# Altium PCB PCB.PcbDoc
Units mm, origin at the board's own origin, x right, y up, seen from the top; angles counter-clockwise.
Board outline 100.01 x 100.01 mm, 2 copper layers (Top Layer, Bottom Layer); 78 components, 66 nets, 326 pads, 102 vias.
Unrouted connection lines stored in the file: 57.
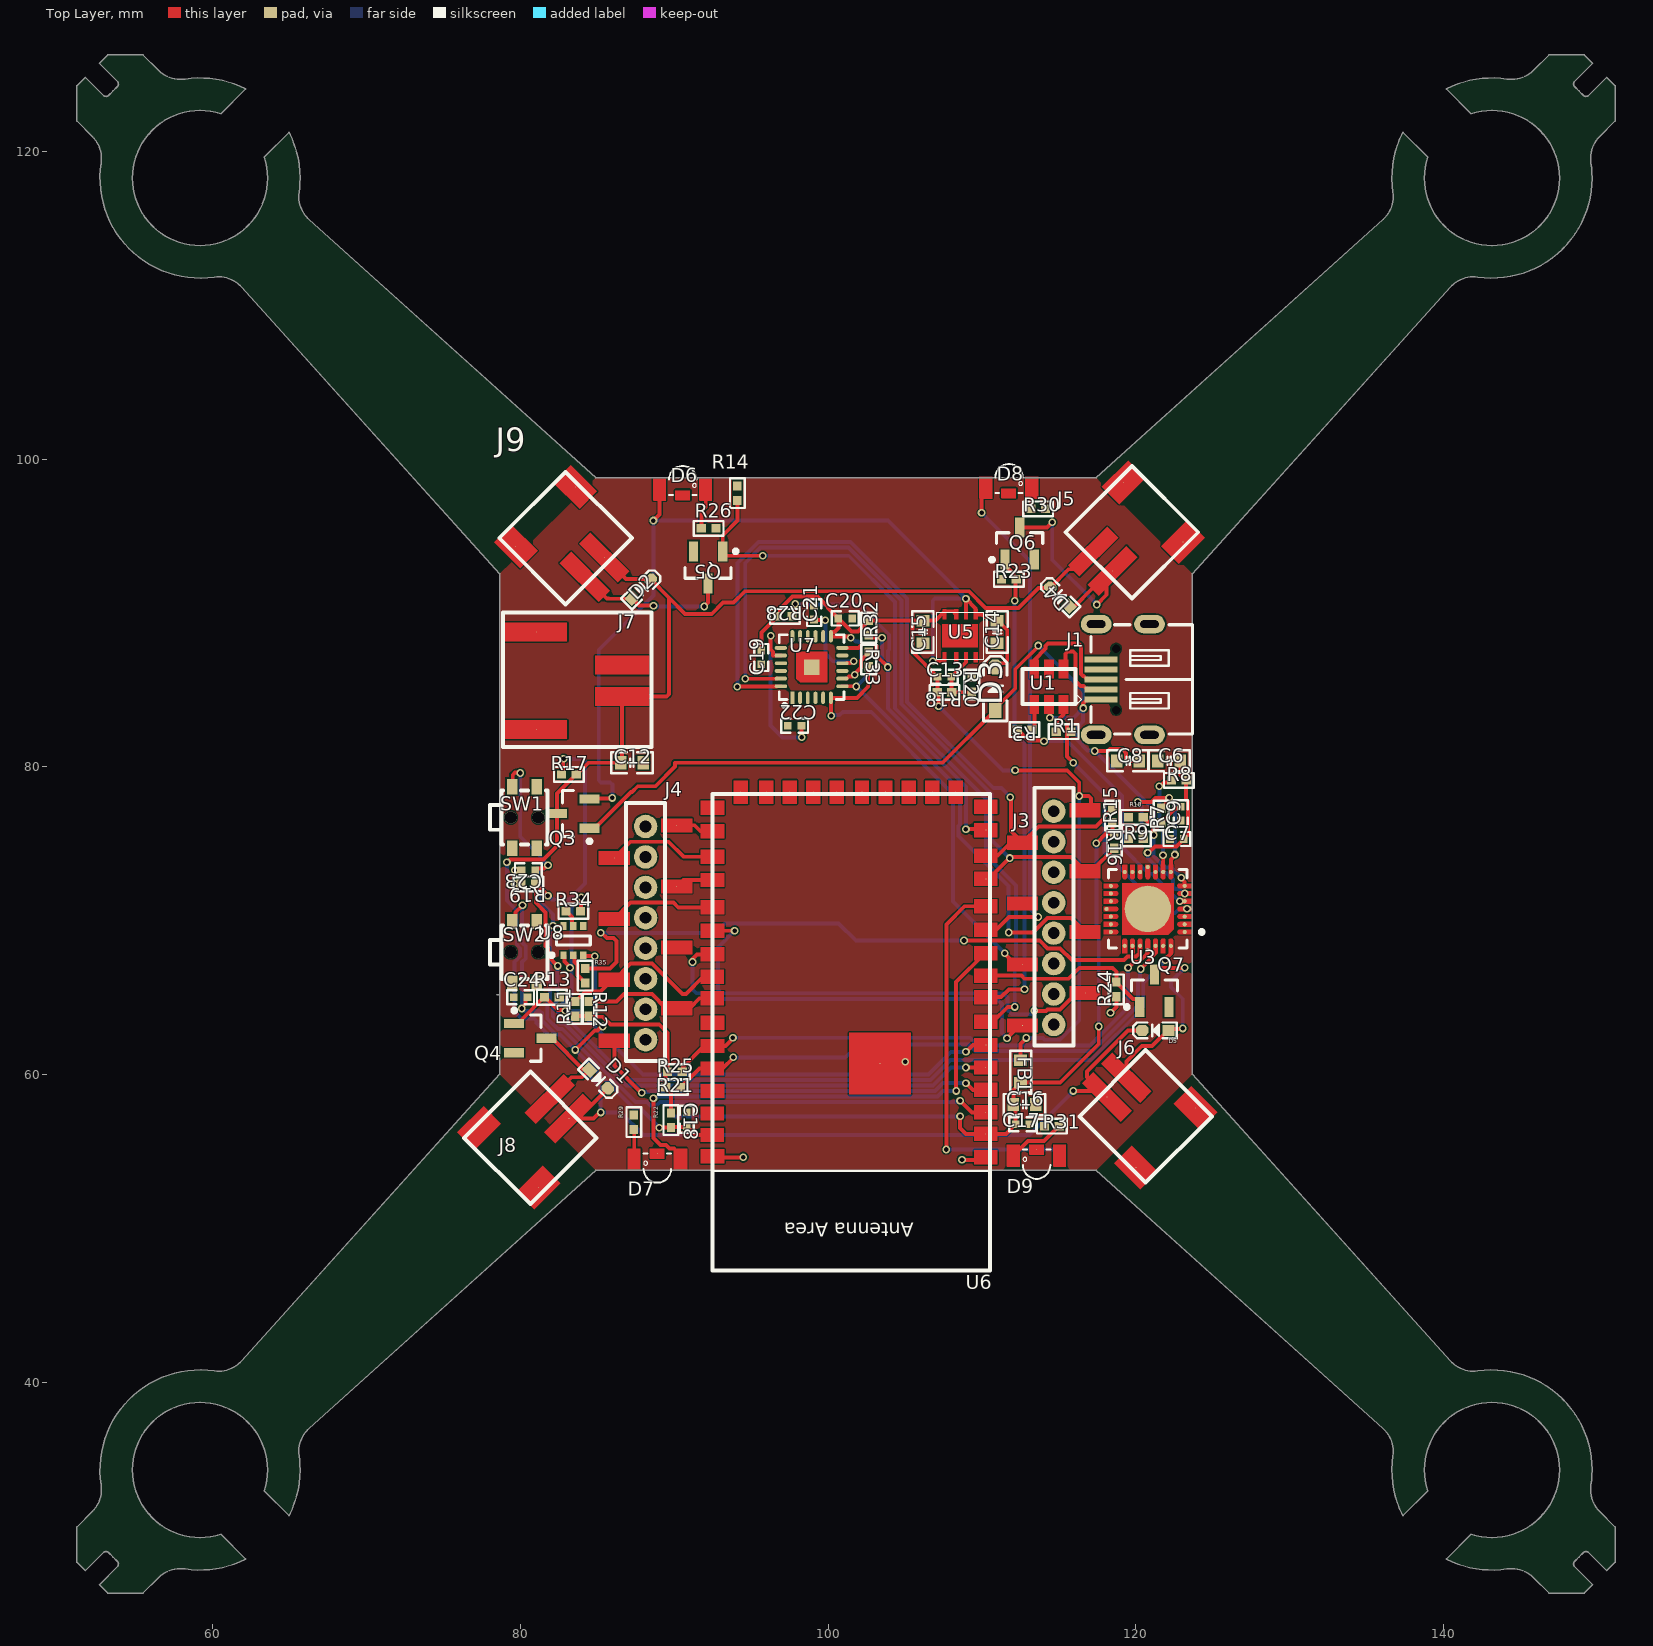
[diagram p0: Top Layer view]
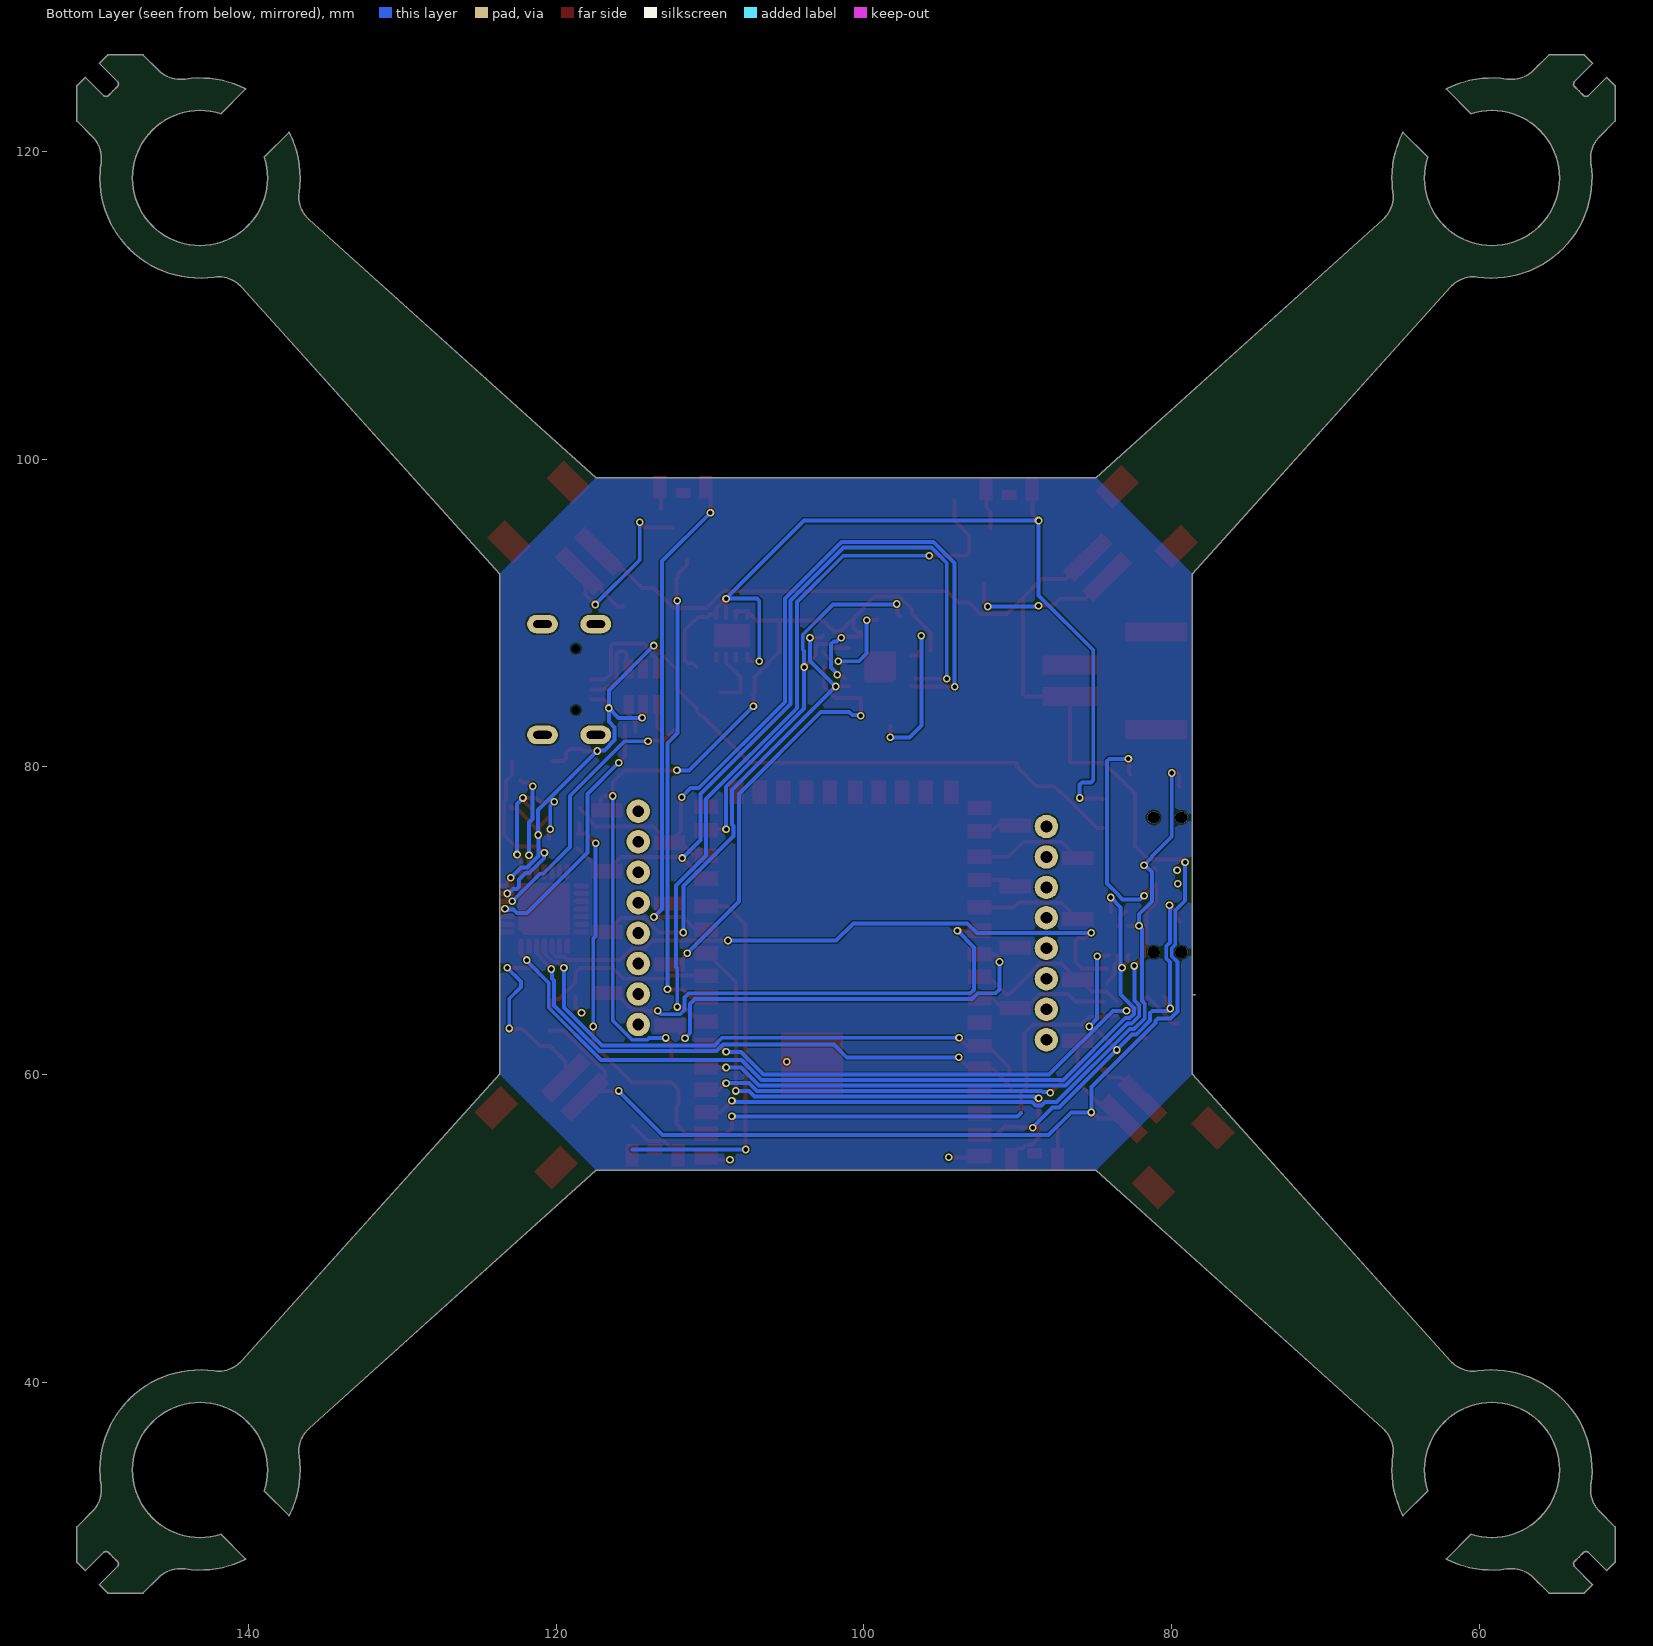
[diagram p1: Bottom Layer view, seen from below]

## Layer stack, top to bottom
Top Solder: solder mask 0.0102, Solder Resist, Dk 3.5
Top Layer: signal copper 0.0356
Dielectric 1: dielectric 0.32, FR-4, Dk 4.8
Bottom Layer: signal copper 0.0356
Bottom Solder: solder mask 0.0102, Solder Resist, Dk 3.5

## Board outline
52.623,26.82 53.163,26.279 53.168,26.277 55.463,26.277 55.467,26.279 56.479,27.29 cw(c57.888,25.882) 58.188,27.851 ccw(c59.168,34.285) 62.13,28.49 62.132,28.501 60.53,30.103 60.523,30.105 cw(c59.168,34.283) 55.422,31.99 cw(c59.168,34.284) 56.062,37.39 cw(c59.168,34.283) 61.462,38.03 cw(c59.168,34.284) 63.561,34.284 cw(c59.168,34.284) 63.347,32.929 63.349,32.922 64.951,31.32 64.962,31.322 ccw(c59.167,34.284) 65.675,34.284 ccw(c59.168,34.284) 65.609,35.209 cw(c67.582,35.492) 66.248,36.973 66.248,36.974 84.91,53.777 117.426,53.777 136.088,36.974 cw(c134.754,35.492) 136.747,35.492 cw(c134.754,35.492) 136.727,35.209 ccw(c143.167,34.284) 137.374,31.322 137.385,31.32 138.987,32.922 138.988,32.929 cw(c143.167,34.284) 140.873,38.03 cw(c143.167,34.283) 146.274,37.39 cw(c143.167,34.284) 147.561,34.284 cw(c143.167,34.284) 146.914,31.99 cw(c143.168,34.284) 141.813,30.105 141.806,30.103 140.204,28.501 140.205,28.49 ccw(c143.168,34.284) 144.147,27.851 cw(c144.448,25.882) 145.857,27.29 146.868,26.279 146.873,26.277 149.167,26.277 149.172,26.279 149.713,26.82 149.713,26.829 148.539,28.002 cw(c148.712,28.174) 148.468,28.18 cw(c148.71,28.174) 148.548,28.354 ccw(c143.132,34.317) 149.097,28.903 cw(c149.277,28.74) 149.271,28.983 cw(c149.277,28.74) 149.449,28.912 150.622,27.739 150.632,27.739 151.172,28.279 151.174,28.284 151.174,30.578 151.172,30.583 150.161,31.594 cw(c151.571,33.004) 149.6,33.304 ccw(c143.167,34.284) 149.674,34.284 ccw(c143.167,34.284) 142.243,40.724 cw(c141.959,42.697) 140.478,41.363 140.478,41.364 123.674,60.026 123.674,92.541 140.478,111.203 cw(c141.959,109.87) 142.242,111.843 ccw(c143.168,118.283) 149.674,118.283 ccw(c143.168,118.283) 149.6,119.263 cw(c151.571,119.563) 150.161,120.973 151.172,121.984 151.174,121.989 151.174,124.281 151.171,124.289 150.632,124.828 150.622,124.828 149.449,123.655 cw(c149.277,123.827) 149.271,123.584 cw(c149.277,123.827) 149.097,123.663 ccw(c143.17,118.288) 148.548,124.213 cw(c148.711,124.393) 148.468,124.387 cw(c148.712,124.393) 148.539,124.565 149.713,125.738 149.713,125.748 149.172,126.288 149.167,126.29 146.873,126.29 146.868,126.288 145.858,125.278 145.857,125.277 cw(c144.448,126.686) 144.147,124.716 ccw(c143.167,118.285) 140.205,124.077 140.204,124.066 141.806,122.464 141.813,122.462 cw(c143.168,118.283) 146.914,120.578 146.914,120.577 cw(c143.167,118.283) 147.561,118.283 cw(c143.167,118.283) 146.274,115.177 cw(c143.167,118.284) 140.873,114.536 cw(c143.168,118.283) 138.989,119.638 138.987,119.645 137.385,121.247 137.374,121.245 ccw(c143.166,118.284) 136.727,117.358 cw(c134.754,117.075) 136.747,117.075 cw(c134.754,117.075) 136.088,115.594 117.426,98.79 93.62,98.798 93.518,98.79 84.91,98.79 66.248,115.594 cw(c67.582,117.075) 65.609,117.358 ccw(c59.166,118.283) 65.675,118.283 ccw(c59.168,118.283) 64.962,121.245 64.951,121.247 63.349,119.645 63.347,119.638 cw(c59.168,118.283) 63.561,118.283 cw(c59.168,118.283) 61.463,114.537 cw(c59.168,118.283) 56.062,115.177 cw(c59.168,118.283) 55.422,120.578 cw(c59.168,118.283) 60.523,122.462 60.53,122.464 62.132,124.066 62.13,124.077 ccw(c59.168,118.284) 58.188,124.716 cw(c57.888,126.686) 56.479,125.277 55.467,126.288 55.463,126.29 53.168,126.29 53.163,126.288 52.623,125.748 52.623,125.738 53.796,124.565 cw(c53.624,124.393) 53.867,124.393 53.867,124.387 cw(c53.624,124.393) 53.788,124.213 ccw(c59.165,118.286) 53.239,123.664 cw(c53.059,123.827) 53.064,123.584 cw(c53.059,123.827) 52.886,123.655 51.713,124.828 51.704,124.828 51.163,124.288 51.161,124.283 51.161,121.989 51.163,121.984 52.174,120.973 cw(c50.766,119.563) 52.758,119.564 cw(c50.767,119.563) 52.736,119.263 ccw(c59.169,118.284) 60.095,111.842 cw(c60.378,109.871) 61.858,111.203 78.661,92.541 78.661,65.182 78.455,65.182 78.455,65.169 78.661,65.169 78.661,60.026 61.858,41.364 61.858,41.363 cw(c60.377,42.697) 60.093,40.724 ccw(c59.168,34.284) 52.736,33.304 cw(c50.766,33.003) 52.758,33.003 cw(c50.766,33.003) 52.175,31.594 51.163,30.583 51.161,30.578 51.161,28.284 51.163,28.279 51.704,27.739 51.713,27.739 52.886,28.912 cw(c53.059,28.74) 53.064,28.983 cw(c53.059,28.74) 53.239,28.903 ccw(c59.204,34.319) 53.788,28.354 cw(c53.624,28.174) 53.867,28.18 53.867,28.174 cw(c53.624,28.174) 53.796,28.002

## Design rules (kind name [scope] priority, off if disabled: settings)
Clearance [All] p1: gap=0.1 ignorepadtopadclearanceinfootprint=TRUE
PolygonConnect [All] p1: connectstyle=Relief reliefconductorwidth=0.254 reliefentries=4 polygonreliefangle="90 Angle" airgapwidth=0.254
RoutingVias [All] p1: holewidth=0.711 width=1.27 viastyle="Through Hole" minholewidth=0.711 minwidth=1.27 maxholewidth=0.711 maxwidth=1.27
SolderMaskExpansion [All] p1: expansion=0.102 istentingtop=FALSE
SupplyNets "Schematic Supply Nets_7" [InNet('Vout')] p1: voltage=0.000
SupplyNets "Schematic Supply Nets_6" [InNet('VDD33_ESP')] p2: voltage=0.000
SupplyNets "Schematic Supply Nets_5" [InNet('VDD33')] p3: voltage=0.000
SupplyNets "Schematic Supply Nets_4" [InNet('VSYS')] p4: voltage=0.000
SupplyNets "Schematic Supply Nets_3" [InNet('VDD_CP')] p5: voltage=0.000
SupplyNets "Schematic Supply Nets_2" [InNet('VBUS')] p6: voltage=0.000
SupplyNets "Schematic Supply Nets_1" [InNet('VBAT')] p7: voltage=0.000
SupplyNets "Schematic Supply Nets" [InNet('GND')] p8: voltage=0.000
Width [All] p1: maxlimit=0.254 minlimit=0.254 preferedwidth=0.254
30 further rules are at their usual default settings.

## Components (designator, comment, footprint, x,y, rotation, side; value= is the part's Value field where it differs from the comment)
C6 "4.7uF" C0603_L 122.174,80.391 r0 top
C7 "0.1uF" C0402_L 122.682,75.311 r0 top
C8 "4.7uF" C0603_L 119.507,80.391 r0 top
C9 "0.1uF" C0402_L 122.936,76.962 r90 top
C12 "10uF" C0603_L 87.249,80.264 r180 top
C13 "470pF" C0402_L 107.569,85.852 r180 top
C14 "10uF" C0603_L 110.998,88.773 r90 top
C15 "10uF" C0603_L 106.172,88.773 r90 top
C16 "10uF" C0603_L 112.776,58.039 r180 top
C17 "0.1uF" C0402_L 112.649,56.769 r180 top
C18 "0.1uF" C0402_L 90.805,57.092 r270 top
C19 "0.1uF" C0402_L 95.663,87.11 r90 top
C20 "10nF" C0402_L 101.124,89.65 r180 top
C21 "0.1uF" C0402_L 99.092,90.031 r270 top
C22 "2.2nF" C0402_L 97.822,82.665 r180 top
C23 "0.1uF" C0402_L 80.518,73.279 r0 top
C24 "0.1uF" C0402_L 80.01,65.024 r0 top
D1 "1N4148" SOD-523 85.09,59.69 r315 top
D2 "1N4148" SOD-523 87.884,91.567 r45 top
D3 "BAT60B" SOD-323 110.871,85.09 r90 top
D4 "1N4148" SOD-523 115.062,91.059 r135 top
D5 "1N4148" SOD-523 121.285,62.865 r180 top
D6 "LED-WHT" LED3010-S 90.551,97.663 r0 top
D7 "LED-BLE" LED3010-S 88.9,54.864 r180 top
D8 "LED-RED" LED3010-S 111.76,97.79 r0 top
D9 "LED-GRN" LED3010-S 113.563,55.118 r180 top
FB1 "330R at 100MHz" L0603 112.522,60.198 r270 top
J1 "USB-MICRO-B" USB2.0_MICRO-B_5 120.904,85.681 r90 top
J3 "HDR-1X8" A2005HWV-S-XP-A 114.681,70.256 r0 top
J4 "HDR-1X8" A2005HWV-S-XP-A 88.138,69.266 r0 top
J5 "CON2-SB-ZH" CON2X1_1P5_SMT_ZH-2A_DIP 119.761,95.25 r45 top
J6 "CON2-SB-ZH" CON2X1_1P5_SMT_ZH-2A_DIP 120.65,57.277 r315 top
J7 "CON2-B-PH" CON2X1 86.741,86.614 r270 top
J8 "CON2-SB-ZH" CON2X1_1P5_SMT_ZH-2A_DIP 80.645,55.88 r225 top
J9 "CON2-SB-ZH" CON2X1_1P5_SMT_ZH-2A_DIP 82.931,94.869 r135 top
Q3 "AO3401" SOT-23-3 83.439,76.962 r90 top
Q4 "IRLML6344TRPbF" SOT-23-3 80.645,62.357 r270 top
Q5 "IRLML6344TRPbF" SOT-23-3 92.202,92.964 r180 top
Q6 "IRLML6344TRPbF" SOT-23-3 112.461,94.522 r0 top
Q7 "IRLML6344TRPbF" SOT-23-3 121.224,65.439 r0 top
R1 "0R" R0402_M 115.316,82.296 r0 top
R3 "0R" R0402_M 112.776,82.423 r180 top
R7 "22.1K" R0402_M 121.666,76.835 r90 top
R8 "10K" R0402_M 122.809,79.121 r0 top
R9 "47.5K" R0402_M 120.015,75.311 r0 top
R10 "82K" R0402_M 120.015,76.708 r0 top
R11 "10K" R0402_M 83.566,64.262 r90 top
R12 "10K" R0402_M 84.455,64.262 r90 top
R13 "10K" R0402_M 82.042,65.024 r180 top
R14 "10K" R0402_M 94.107,97.79 r270 top
R15 "10K" R0402_M 118.491,76.835 r90 top
R16 "10K" R0402_M 118.618,75.184 r270 top
R17 "82K" R0402_M 83.152,79.502 r0 top
R18 "52.3K" R0402_M 107.569,84.836 r180 top
R19 "82K" R0402_M 80.518,72.39 r0 top
R20 "29.4K" R0402_M 109.347,85.344 r270 top
R21 "10K" R0402_M 89.916,59.157 r180 top
R22 "10K" R0402_M 89.789,57.023 r90 top
R23 "10K" R0402_M 111.76,92.202 r0 top
R24 "10K" R0402_M 118.745,65.532 r90 top
R25 "10K" R0402_M 90.043,60.173 r180 top
R26 "1.5K" R0402_M 92.235,95.504 r0 top
R28 "10K" R0402_M 97.187,89.777 r180 top
R29 "1.5K" R0402_M 87.376,56.896 r90 top
R30 "1.5K" R0402_M 113.665,96.774 r0 top
R31 "1.5K" R0402_M 114.554,56.642 r180 top
R32 "10K" R0402_M 102.648,89.048 r270 top
R33 "10K" R0402_M 102.648,86.983 r270 top
R34 "10K" R0402_M 83.439,70.612 r180 top
R35 "10K" R0402_M 84.201,66.421 r90 top
SW1 "6x6x5" SW-SMD-3.5*3.0_4P 80.264,76.708 r90 top
SW2 "6x6x5" SW-SMD-3.5*3.0_4P 80.264,67.945 r90 top
U1 "USBLC6-2SC6" USBLC6-2SC6 114.427,85.217 r0 top
U3 "CP2102N-A02" FP-CP2102N-A02-GQFN28-MFG 120.79,70.763 r180 top
U5 "SGM2205-ADJ" SMG2205-ADJ 108.585,88.519 r0 top
U6 "ESP32-S2-WROVER" ESP32-S2-WROVER 101.378,62.738 r180 top
U7 "MPU6050" "QFN24 4x4_L" 98.933,86.487 r0 top
U8 "BC847BDW1T1G" ONSC-SOT-363-6-419B-02_W_V 83.439,68.707 r90 top

## Footprints (in the part's own frame and the unit in brackets; to place one, negate y for a bottom-side part, rotate by r counter-clockwise, add the part's x,y. Pads: shape width x height; smd on the part's side, far side on the other; paste and mask are expansions set on the pad)
A2005HWV-S-XP-A [mil]
  round 1 smd: 1(80,272.52) 2(-80,189.48) 3(80,116.52) 4(-80,33.48) 5(80,-39.48) 6(-80,-122.52) 7(80,-195.48) 8(-80,-278.52)
  round 60 hole 30: 9(0,-276) 10(0,-198) 11(0,-120) 12(0,-42) 13(0,36) 14(0,114) 15(0,192) 16(0,270)
  Top Layer region: -40.63,15.96 -119.37,15.96 -119.37,51 -40.63,51
  Top Layer region: 40.63,290.04 119.37,290.04 119.37,255 40.63,255
  Top Layer region: 40.63,-21.96 119.37,-21.96 119.37,-57 40.63,-57
  Top Layer region: -40.63,171.96 -119.37,171.96 -119.37,207 -40.63,207
  Top Layer region: -40.63,-140.04 -119.37,-140.04 -119.37,-105 -40.63,-105
  Top Layer region: 40.63,134.04 119.37,134.04 119.37,99 40.63,99
  Top Layer region: 40.63,-177.96 119.37,-177.96 119.37,-213 40.63,-213
  Top Layer region: -40.63,-296.04 -119.37,-296.04 -119.37,-261 -40.63,-261
  silkscreen extent -50,-330 50,330
C0402_L [mm] "贴片MLCC电容"
  rect 0.5x0.5 smd: 1(-0.45,0) 2(0.45,0)
  silkscreen extent -0.87,-0.46 0.88,0.46, body extent -0.5,-0.25 0.5,0.25, height 0.5
C0603_L [mm] "贴片MLCC电容"
  rect 0.75x0.85 smd: 1(-0.725,0) 2(0.725,0)
  silkscreen extent -1.35,-0.69 1.35,0.69, body extent -0.8,-0.4 0.8,0.4, height 0.8
CON2X1 [mil]
  round 1 smd: 1(80,-5) 2(0,-5) 3(-85,-225) 4(165,-225)
  Top Layer region: -23.62,-73.9 23.62,-73.9 23.62,63.9 -23.62,63.9
  Top Layer region: 56.38,-73.9 103.62,-73.9 103.62,63.9 56.38,63.9
  Top Layer region: 141.38,-146.26 188.62,-146.26 188.62,-303.74 141.38,-303.74
  Top Layer region: -108.62,-146.26 -61.38,-146.26 -61.38,-303.74 -108.62,-303.74
  silkscreen extent -135,-310 210,70
CON2X1_1P5_SMT_ZH-2A_DIP [mil]
  round 1 smd: 1(-105,35) 2(-105,-35) 3(75,-110) 4(75,105)
  Top Layer region: -175,55 -35,55 -35,15 -175,15
  Top Layer region: 27.76,136.5 122.24,136.5 122.24,73.5 27.76,73.5
  Top Layer region: 27.76,-78.5 122.24,-78.5 122.24,-141.5 27.76,-141.5
  Top Layer region: -175,-15 -35,-15 -35,-55 -175,-55
  silkscreen extent -120,-120 120,120
ESP32-S2-WROVER [mil]
  round 1 smd: 1(-349.53,320) 2(-349.53,260) 3(-349.53,205) 4(-350,147.28) 5(-349.53,90) 6(-350,32.28) 7(-350,-27.28) 8(-349.53,-90) 9(-349.53,-145) 10(-350,-202.28) 11(-350,-262.72) 12(-350,-322.72) 13(-350,-392.72) 14(-350,-452.28) 15(-350,-517.72) 16(-350,-577.72) 17(-272.72,-615) 18(-212.72,-615) 19(-152.72,-615) 20(-92.72,-615) 21(-32.72,-615) 22(32.28,-615) 23(92.28,-615) 24(152.28,-615) 25(212.72,-615) 26(277.28,-615) 27(350,-575) 28(350,-515) 29(350,-449.57) 30(350,-390) 31(350,-320) 32(350,-260) 33(350,-199.57) 34(350.47,-142.28) 35(350.47,-87.28) 36(350,-24.57) 37(350,35) 38(350.47,92.72) 39(350,150) 40(350.47,207.72) 41(350.47,262.72) 42(350,317.28) 43(-78.74,80)
  Top Layer region: -379.06,337.72 -379.06,302.28 -320,302.28 -320,337.72
  Top Layer region: -157.48,158.74 0,158.74 0,1.26 -157.48,1.26
  Top Layer region: 259.57,-644.53 295,-644.53 295,-585.47 259.57,-585.47
  Top Layer region: 320.47,335 320.47,299.57 379.53,299.57 379.53,335
  Top Layer region: -379.53,-434.57 -379.53,-470 -320.47,-470 -320.47,-434.57
  Top Layer region: -379.53,-500 -379.53,-535.43 -320.47,-535.43 -320.47,-500
  Top Layer region: -379.53,-375 -379.53,-410.43 -320.47,-410.43 -320.47,-375
  Top Layer region: -379.06,277.72 -379.06,242.28 -320,242.28 -320,277.72
  Top Layer region: -379.06,222.72 -379.06,187.28 -320,187.28 -320,222.72
  Top Layer region: -379.53,165 -379.53,129.57 -320.47,129.57 -320.47,165
  Top Layer region: -379.06,107.72 -379.06,72.28 -320,72.28 -320,107.72
  Top Layer region: -379.53,50 -379.53,14.57 -320.47,14.57 -320.47,50
  Top Layer region: -379.53,-9.57 -379.53,-45 -320.47,-45 -320.47,-9.57
  Top Layer region: -379.06,-72.28 -379.06,-107.72 -320,-107.72 -320,-72.28
  Top Layer region: -379.06,-127.28 -379.06,-162.72 -320,-162.72 -320,-127.28
  Top Layer region: -379.53,-184.57 -379.53,-220 -320.47,-220 -320.47,-184.57
  Top Layer region: -379.53,-305 -379.53,-340.43 -320.47,-340.43 -320.47,-305
  Top Layer region: -379.53,-245 -379.53,-280.43 -320.47,-280.43 -320.47,-245
  Top Layer region: -379.53,-560 -379.53,-595.43 -320.47,-595.43 -320.47,-560
  Top Layer region: -290.43,-644.53 -255,-644.53 -255,-585.47 -290.43,-585.47
  Top Layer region: -230.43,-644.53 -195,-644.53 -195,-585.47 -230.43,-585.47
  Top Layer region: -170.43,-644.53 -135,-644.53 -135,-585.47 -170.43,-585.47
  Top Layer region: -110.43,-644.53 -75,-644.53 -75,-585.47 -110.43,-585.47
  Top Layer region: -50.43,-644.53 -15,-644.53 -15,-585.47 -50.43,-585.47
  Top Layer region: 14.57,-644.53 50,-644.53 50,-585.47 14.57,-585.47
  Top Layer region: 74.57,-644.53 110,-644.53 110,-585.47 74.57,-585.47
  Top Layer region: 134.57,-644.53 170,-644.53 170,-585.47 134.57,-585.47
  Top Layer region: 195,-644.53 230.43,-644.53 230.43,-585.47 195,-585.47
  Top Layer region: 320.47,-557.28 320.47,-592.72 379.53,-592.72 379.53,-557.28
  Top Layer region: 320.47,-497.28 320.47,-532.72 379.53,-532.72 379.53,-497.28
  Top Layer region: 320.47,-431.85 320.47,-467.28 379.53,-467.28 379.53,-431.85
  Top Layer region: 320.47,-372.28 320.47,-407.72 379.53,-407.72 379.53,-372.28
  Top Layer region: 320.47,-302.28 320.47,-337.72 379.53,-337.72 379.53,-302.28
  Top Layer region: 320.47,-242.28 320.47,-277.72 379.53,-277.72 379.53,-242.28
  Top Layer region: 320.47,-181.85 320.47,-217.28 379.53,-217.28 379.53,-181.85
  Top Layer region: 320.94,-124.57 320.94,-160 380,-160 380,-124.57
  Top Layer region: 320.94,-69.57 320.94,-105 380,-105 380,-69.57
  Top Layer region: 320.47,-6.85 320.47,-42.28 379.53,-42.28 379.53,-6.85
  Top Layer region: 320.47,52.72 320.47,17.28 379.53,17.28 379.53,52.72
  Top Layer region: 320.94,110.43 320.94,75 380,75 380,110.43
  Top Layer region: 320.47,167.72 320.47,132.28 379.53,132.28 379.53,167.72
  Top Layer region: 320.94,225.43 320.94,190 380,190 380,225.43
  Top Layer region: 320.94,280.43 320.94,245 380,245 380,280.43
  silkscreen extent -360,-610 350,610
FP-CP2102N-A02-GQFN28-MFG [mm]
  round 0.27 smd paste+0 mask+0: 1(-2.4,1.5) 2(-2.4,1) 3(-2.4,0.5) 4(-2.725,0) 5(-2.4,-0.5) 6(-2.4,-1) 7(-2.4,-1.5) 8(-1.5,-2.4) 9(-1,-2.4) 10(-0.5,-2.4) 11(0,-2.725) 12(0.5,-2.4) 13(1,-2.4) 14(1.5,-2.4) 15(2.4,-1.5) 16(2.4,-1) 17(2.4,-0.5) 18(2.675,0) 19(2.4,0.5) 20(2.4,1) 21(2.4,1.5) 22(1.5,2.4) 23(1,2.4) 24(0.5,2.4) 25(0,2.675) 26(-0.5,2.4) 27(-1,2.4) 28(-1.5,2.4)
  round 3.015 smd paste-1000 mask+0: 29(0,0)
  Top Layer region: -2.875,0.65 -2.075,0.65 -2.018,0.639 -1.969,0.606 -1.936,0.557 -1.925,0.5 -1.925,0.5 -1.936,0.443 -1.969,0.394 -2.018,0.361 -2.075,0.35 -2.075,0.35 -2.875,0.35
  Top Layer region: -2.875,-1.35 -2.075,-1.35 -2.018,-1.361 -1.969,-1.394 -1.936,-1.443 -1.925,-1.5 -1.925,-1.5 -1.936,-1.557 -1.969,-1.606 -2.018,-1.639 -2.075,-1.65 -2.075,-1.65 -2.875,-1.65
  Top Layer region: 0.15,2.875 0.15,2.075 0.139,2.018 0.106,1.969 0.057,1.936 0,1.925 0,1.925 -0.057,1.936 -0.106,1.969 -0.139,2.018 -0.15,2.075 -0.15,2.075 -0.15,2.875
  Top Layer region: -0.35,2.875 -0.35,2.075 -0.361,2.018 -0.394,1.969 -0.443,1.936 -0.5,1.925 -0.5,1.925 -0.557,1.936 -0.606,1.969 -0.639,2.018 -0.65,2.075 -0.65,2.075 -0.65,2.875
  Top Layer region: -2.875,1.65 -2.075,1.65 -2.018,1.639 -1.969,1.606 -1.936,1.557 -1.925,1.5 -1.925,1.5 -1.936,1.443 -1.969,1.394 -2.018,1.361 -2.075,1.35 -2.075,1.35 -2.875,1.35
  Top Layer region: -2.875,1.15 -2.075,1.15 -2.018,1.139 -1.969,1.106 -1.936,1.057 -1.925,1 -1.925,1 -1.936,0.943 -1.969,0.894 -2.018,0.861 -2.075,0.85 -2.075,0.85 -2.875,0.85
  Top Layer region: -2.875,0.15 -2.075,0.15 -2.018,0.139 -1.969,0.106 -1.936,0.057 -1.925,0 -1.925,0 -1.936,-0.057 -1.969,-0.106 -2.018,-0.139 -2.075,-0.15 -2.075,-0.15 -2.875,-0.15
  Top Layer region: -2.875,-0.35 -2.075,-0.35 -2.018,-0.361 -1.969,-0.394 -1.936,-0.443 -1.925,-0.5 -1.925,-0.5 -1.936,-0.557 -1.969,-0.606 -2.018,-0.639 -2.075,-0.65 -2.075,-0.65 -2.875,-0.65
  Top Layer region: -2.875,-0.85 -2.075,-0.85 -2.018,-0.861 -1.969,-0.894 -1.936,-0.943 -1.925,-1 -1.925,-1 -1.936,-1.057 -1.969,-1.106 -2.018,-1.139 -2.075,-1.15 -2.075,-1.15 -2.875,-1.15
  Top Layer region: 2.875,-1.65 2.075,-1.65 2.018,-1.639 1.969,-1.606 1.936,-1.557 1.925,-1.5 1.925,-1.5 1.936,-1.443 1.969,-1.394 2.018,-1.361 2.075,-1.35 2.075,-1.35 2.875,-1.35
  Top Layer region: 2.875,-1.15 2.075,-1.15 2.018,-1.139 1.969,-1.106 1.936,-1.057 1.925,-1 1.925,-1 1.936,-0.943 1.969,-0.894 2.018,-0.861 2.075,-0.85 2.075,-0.85 2.875,-0.85
  Top Layer region: 2.875,-0.65 2.075,-0.65 2.018,-0.639 1.969,-0.606 1.936,-0.557 1.925,-0.5 1.925,-0.5 1.936,-0.443 1.969,-0.394 2.018,-0.361 2.075,-0.35 2.075,-0.35 2.875,-0.35